# KiCad board SmartCubePanel.kicad_pcb (continued)
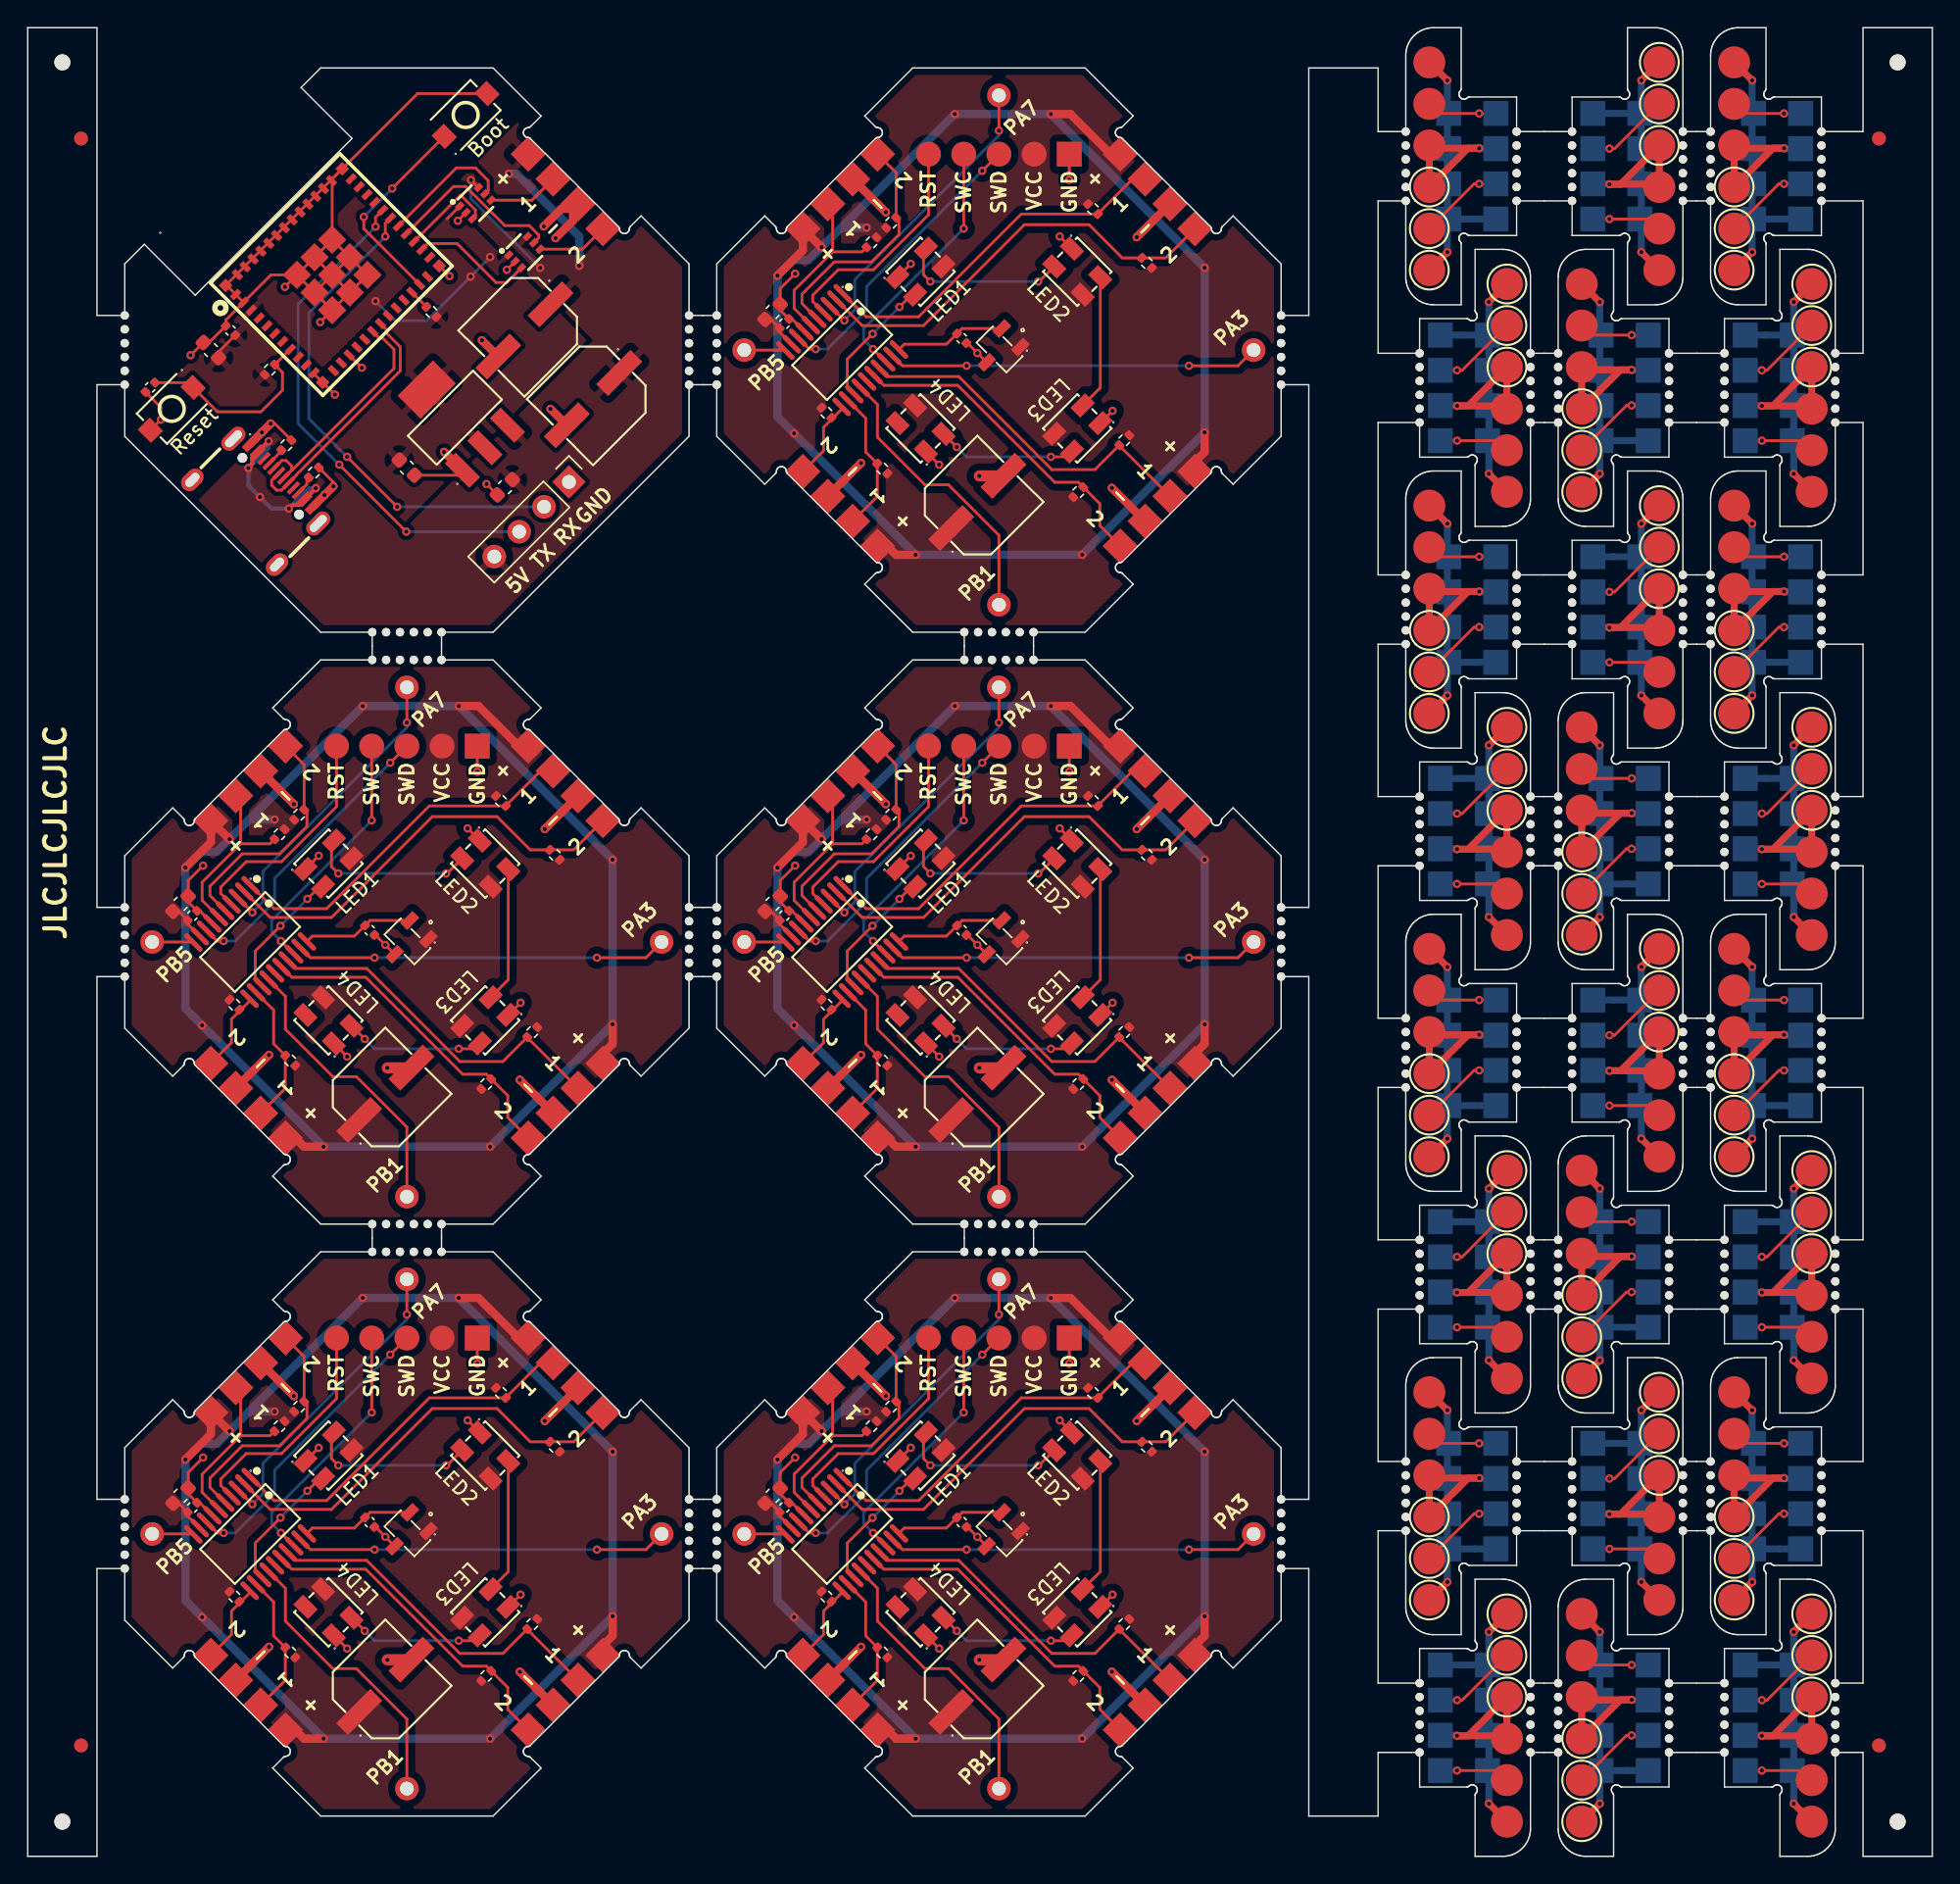
[diagram p0: board, top side]
## Routing (per net, layer and track width the routed paths; a pad name or vN(x,y) marks a point on that pad's centre or on a via; arc(x,y) is an arc through that point) (continued)
Board_26-/Data2: length 5.1
  Top w0.2: POGO_26_J3.1 123.85,61.81 v1(126.76,61.81)
  Bottom w0.2: POGO_26_J2.4 v1(126.76,61.81)
Board_26-GND: length 12.7
  Top w0.5: POGO_26_U3.1 POGO_26_J1.1 123.36,59.3 v1(126.76,59.3) 125.96,59.3 POGO_26_U3.1
  Bottom w0.5: POGO_26_J2.3 126.79,59.27 v1(126.76,59.3)
Board_27-+5V: length 19.4
  Top w0.5: v1(127.46,35.8) POGO_27_J4.1 ; v1(127.46,48.2) POGO_27_U1.1
  Bottom w0.5: v1(127.46,35.8) 127.46,45.02 126.67,45.81 ; 126.67,45.81 POGO_27_J2.1 ; 126.67,45.81 127.46,46.6 v1(127.46,48.2)
Board_27-/Data1: length 6.1
  Top w0.2: POGO_27_U2.1 125.53,43.27 v1(125.16,43.27)
  Bottom w0.2: POGO_27_J2.2 v1(125.16,43.27)
Board_27-/Data2: length 5.1
  Top w0.2: POGO_27_J3.1 128.07,38.19 v1(125.16,38.19)
  Bottom w0.2: POGO_27_J2.4 v1(125.16,38.19)
Board_27-GND: length 12.7
  Top w0.5: POGO_27_U3.1 125.96,40.7 v1(125.16,40.7) 128.56,40.7 POGO_27_J1.1 POGO_27_U3.1
  Bottom w0.5: v1(125.16,40.7) 125.13,40.73 POGO_27_J2.3
Board_28-+5V: length 19.4
  Top w0.5: v1(124.46,32.2) POGO_28_J4.1 ; v1(124.46,19.8) POGO_28_U1.1
  Bottom w0.5: POGO_28_J2.1 125.25,22.19 ; 125.25,22.19 124.46,22.98 v1(124.46,32.2) ; 125.25,22.19 124.46,21.4 v1(124.46,19.8)
Board_28-/Data1: length 6.1
  Top w0.2: v1(126.76,24.73) 126.39,24.73 POGO_28_U2.1
  Bottom w0.2: POGO_28_J2.2 v1(126.76,24.73)
Board_28-/Data2: length 5.1
  Top w0.2: POGO_28_J3.1 123.85,29.81 v1(126.76,29.81)
  Bottom w0.2: POGO_28_J2.4 v1(126.76,29.81)
Board_28-GND: length 12.7
  Top w0.5: 123.36,27.3 POGO_28_J1.1 POGO_28_U3.1 125.96,27.3 v1(126.76,27.3) 123.36,27.3
  Bottom w0.5: POGO_28_J2.3 126.79,27.27 v1(126.76,27.3)
Board_29-+5V: length 19.4
  Top w0.5: v1(127.46,3.8) POGO_29_J4.1 ; v1(127.46,16.2) POGO_29_U1.1
  Bottom w0.5: v1(127.46,3.8) 127.46,13.02 126.67,13.81 ; 126.67,13.81 127.46,14.6 v1(127.46,16.2) ; 126.67,13.81 POGO_29_J2.1
Board_29-/Data1: length 6.1
  Top w0.2: v1(125.16,11.27) 125.53,11.27 POGO_29_U2.1
  Bottom w0.2: POGO_29_J2.2 v1(125.16,11.27)
Board_29-/Data2: length 5.1
  Top w0.2: v1(125.16,6.19) 128.07,6.19 POGO_29_J3.1
  Bottom w0.2: POGO_29_J2.4 v1(125.16,6.19)
Board_29-GND: length 12.7
  Top w0.5: POGO_29_U3.1 POGO_29_J1.1 128.56,8.7 v1(125.16,8.7) 125.96,8.7 POGO_29_U3.1
  Bottom w0.5: POGO_29_J2.3 125.13,8.73 v1(125.16,8.7)

## Copper pours and planes (outline as drawn; the poured copper is in the pictures)
Board_0-+3.3V on Top: 30.19,120.04 40.8,109.44 27.37,96 18.88,104.49 11.95,97.56 6.65,102.86 33.23,129.45 36.42,126.27
Board_0-+5V on Top: 36.42,126.27 30.19,120.04 40.8,109.44 27.37,96 18.88,104.49 11.95,97.56 27.37,82.14 53.95,108.73
Board_0-GND on Bottom: 4.88,104.63 31.47,131.21 53.95,108.73 27.37,82.14
Board_1-+5V on Top: 27.37,91.88 1.49,66 27.37,40.12 53.25,66
Board_1-GND on Bottom: 1.49,66 27.37,91.88 53.25,66 27.37,40.12
Board_2-+5V on Top: 27.37,49.15 1.49,23.27 27.37,-2.61 53.25,23.27
Board_2-GND on Bottom: 1.49,23.27 27.37,49.15 53.25,23.27 27.37,-2.61
Board_3-+5V on Top: 70.09,134.61 44.21,108.73 70.09,82.85 95.97,108.73
Board_3-GND on Bottom: 44.21,108.73 70.09,134.61 95.97,108.73 70.09,82.85
Board_4-+5V on Top: 70.09,91.88 44.21,66 70.09,40.12 95.97,66
Board_4-GND on Bottom: 44.21,66 70.09,91.88 95.97,66 70.09,40.12
Board_5-+5V on Top: 70.09,49.15 44.21,23.27 70.09,-2.61 95.97,23.27
Board_5-GND on Bottom: 44.21,23.27 70.09,49.15 95.97,23.27 70.09,-2.61

## Text on the board
B.Silkscreen: + | 1 | - | 2
F.Silkscreen: LED3 | LED2 | Reset | LED1 | Boot | LED4 | 2 | - | 1 | + | 5V | TX | RX | GND | PB5 | PB1 | PA7 | PA3 | RST | SWC | SWD | VCC | JLCJLCJLCJLC
User.1: Pogo | D2 | GND | D1 | 5V
